# Allegro board Learn.brd (continued)
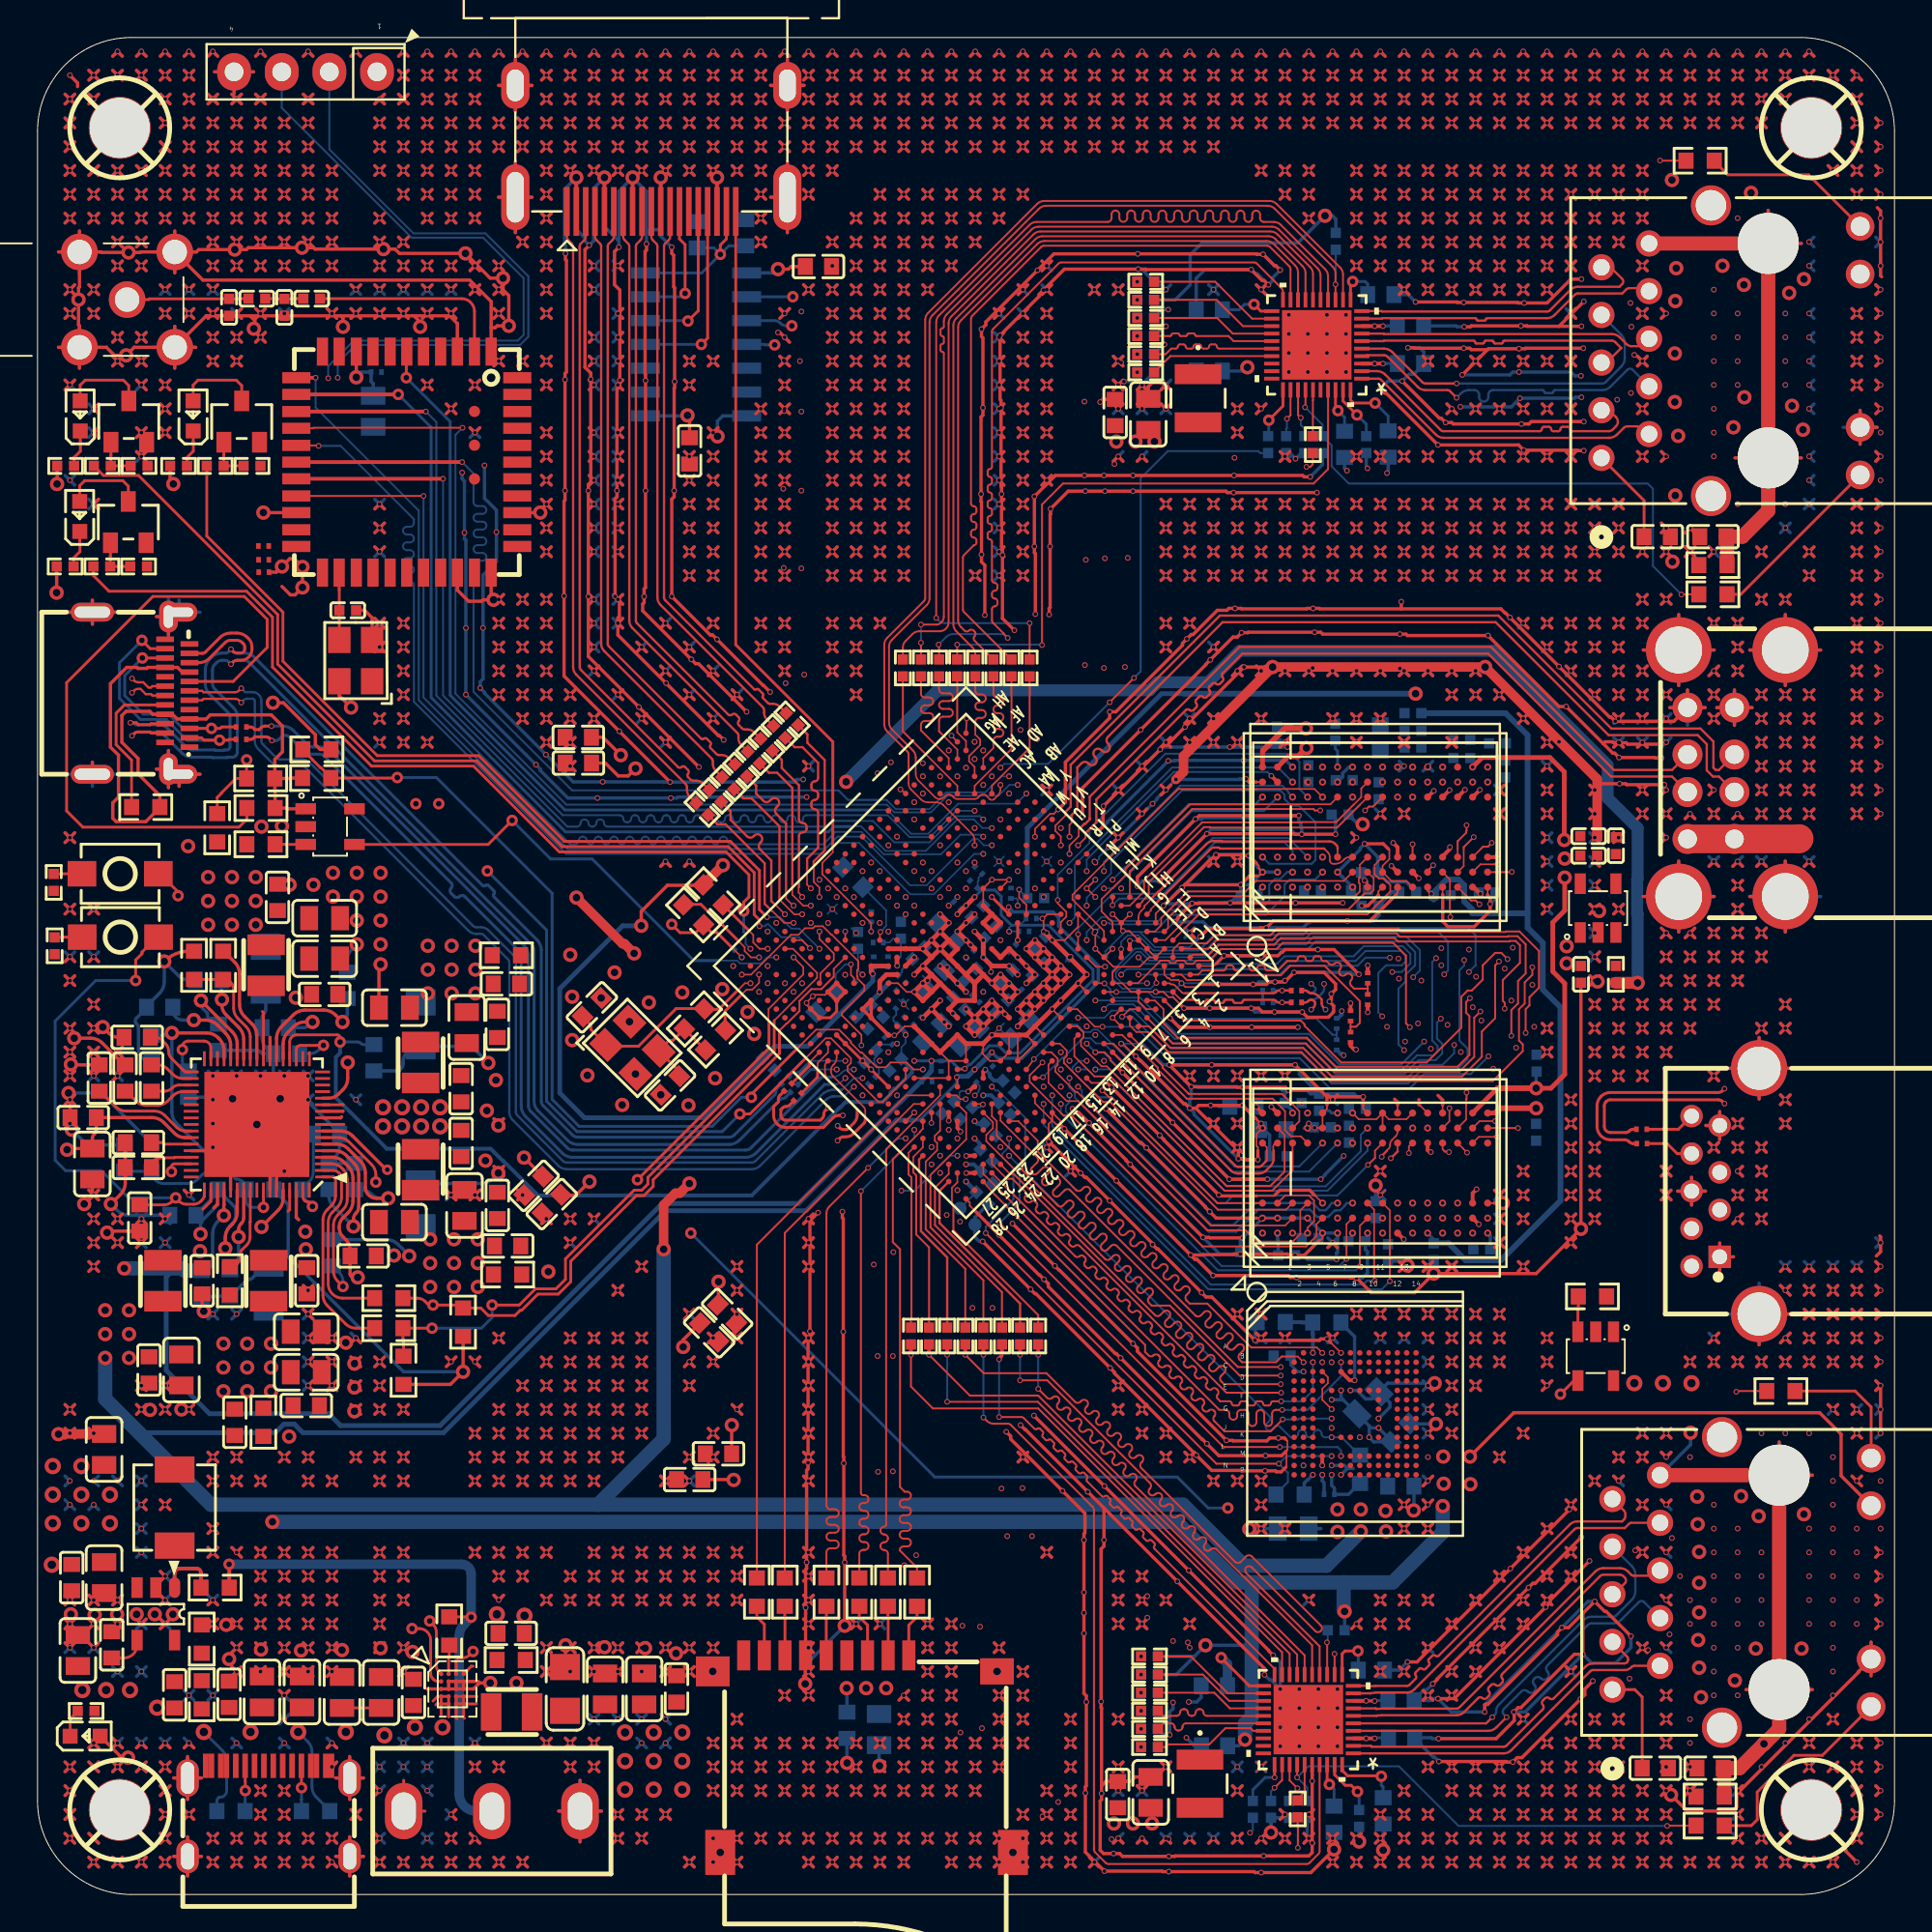
[diagram p0: board, top side]
## Routing (per net, layer and track width the routed paths; a pad name or vN(x,y) marks a point on that pad's centre or on a via; arc(x,y) is an arc through that point) (continued)
63.7,61.16 ; v1(63.95,61.41) 64.21,61.16 ; v1(63.95,61.41) 64.21,61.67 ; v1(75.38,10.61) 75.64,10.87 ; v1(75.38,10.61) 75.64,10.36 ; v1(75.38,10.61) 75.13,10.36 ; v1(75.38,10.61) 75.13,10.87 ; 11.63,15.95 v1(11.88,15.69) ; v1(11.88,15.69) 12.14,15.95 ; v1(11.88,15.69) 11.63,15.44 ; v1(11.88,15.69) 12.14,15.44 ; 64.97,97.99 v1(65.22,98.24) 65.48,97.99 ; v1(69.03,2.99) 69.29,3.25 ; v1(69.03,2.99) 68.78,2.74 ; v1(69.03,2.99) 68.78,3.25 ; v1(69.03,2.99) 69.29,2.74 ; v1(62.68,55.06) 62.94,55.32 ; v1(62.68,55.06) 62.43,54.81 ; v1(62.68,55.06) 62.94,54.81 ; 1.12,82.47 U22.1 ; U22.1 2.24,83.63 2.18,83.68 v3(2.18,85.01) 2.18,85.64 2.24,85.69 U22.4 ; U22.1 2.24,81.36 ; U22.1 3.67,82.47 4.1,82.04 v3(4.72,82.04) 5.16,82.47 U22.2 ; v1(71.57,30.93) 71.83,31.19 ; v1(71.57,30.93) 71.32,30.68 ; v1(71.57,30.93) 71.32,31.19 ; v1(71.57,30.93) 71.83,30.68 ; 84.02,65.48 v1(84.27,65.22) ; v1(84.27,65.22) 84.53,64.97 ; v1(84.27,65.22) 84.02,64.97 ; v1(84.27,65.22) 84.53,65.48 ; v1(27.12,8.07) 27.38,7.82 ; v1(27.12,8.07) 26.87,7.82 ; v1(27.12,8.07) 26.87,8.33 ; v1(27.12,8.07) 27.38,8.33 ; v1(48.71,8.07) 48.97,7.82 ; v1(48.71,8.07) 48.46,8.33 ; v1(48.71,8.07) 48.46,7.82 ; v1(48.71,8.07) 48.97,8.33 ; 96.72,26.11 v1(96.97,25.85) ; v1(96.97,25.85) 97.23,25.6 ; v1(96.97,25.85) 96.72,25.6 ; 19.25,61.67 v1(19.5,61.41) ; v1(19.5,61.41) 19.25,61.16 ; v1(19.5,61.41) 19.76,61.67 ; v1(19.5,61.41) 19.76,61.16 ; 91.64,1.47 v1(91.89,1.72) ; v1(91.89,1.72) 92.15,1.98 ; v1(91.89,1.72) 92.15,1.47 ; v1(91.89,1.72) 91.64,1.98 ; 44.65,3.25 v1(44.9,2.99) ; v1(44.9,2.99) 44.65,2.74 ; v1(44.9,2.99) 45.16,2.74 ; v1(44.9,2.99) 45.16,3.25 ; U5.V22 U5.U23 U5.V23 ; v1(1.72,80.46) 1.98,80.72 ; v1(1.72,80.46) 1.47,80.21 ; v1(1.72,80.46) 1.47,80.72 ; v1(83,74.11) 83.26,74.37 ; v1(83,74.11) 82.75,73.86 ; v1(83,74.11) 82.75,74.37 ; v1(83,74.11) 83.26,73.86 ; 6.55,89.1 v1(6.8,89.35) ; v1(6.8,89.35) 7.06,89.1 ; v1(6.8,89.35) 6.55,89.61 ; v1(6.8,89.35) 7.06,89.61 ; v1(59.97,80.59) 59.43,80.59 59.21,80.38 C195.2 ; v1(90.62,52.52) 90.88,52.78 ; v1(90.62,52.52) 90.88,52.27 ; v1(90.62,52.52) 90.37,52.27 ; v1(90.62,52.52) 90.37,52.78 ; 35.76,81.48 v1(36.01,81.73) ; v1(36.01,81.73) 36.27,81.99 ; v1(36.01,81.73) 36.27,81.48 ; v1(36.01,81.73) 35.76,81.99 ; 80.21,29.92 v1(80.46,29.66) ; v1(80.46,29.66) 80.72,29.92 ; v1(80.46,29.66) 80.72,29.41 ; v1(80.46,29.66) 80.21,29.41 ; v1(96.97,91.89) 97.23,92.15 ; v1(96.97,91.89) 96.72,92.15 ; v1(96.97,91.89) 96.72,91.64 ; v1(96.97,91.89) 97.23,91.64 ; v1(36.01,74.11) 36.27,73.86 ; v1(36.01,74.11) 35.76,74.37 ; v1(36.01,74.11) 35.76,73.86 ; v1(36.01,74.11) 36.27,74.37 ; 81.48,81.99 v1(81.73,81.73) ; v1(81.73,81.73) 81.48,81.48 ; v1(81.73,81.73) 81.99,81.99 ; v1(81.73,81.73) 81.99,81.48 ; 97.99,33.73 v1(98.24,33.47) 97.99,33.22 ; 19.25,18.49 v1(19.5,18.23) ; v1(19.5,18.23) 19.76,18.49 ; v1(19.5,18.23) 19.25,17.98 ; v1(19.5,18.23) 19.76,17.98 ; v3(1.65,42.72) 1.74,42.64 C61.1 ; 37.03,91.64 v1(37.28,91.89) ; v1(37.28,91.89) 37.54,92.15 ; v1(37.28,91.89) 37.03,92.15 ; v1(37.28,91.89) 37.54,91.64 ; 45.92,84.53 v1(46.17,84.27) ; v1(46.17,84.27) 46.43,84.02 ; v1(46.17,84.27) 46.43,84.53 ; v1(46.17,84.27) 45.92,84.02 ; 26.87,86.56 v1(27.12,86.81) ; v1(27.12,86.81) 27.38,87.07 ; v1(27.12,86.81) 27.38,86.56 ; v1(27.12,86.81) 26.87,87.07 ; v1(8.07,4.26) 8.33,4.52 ; v1(8.07,4.26) 7.82,4.52 ; v1(8.07,4.26) 7.82,4.01 ; v1(8.07,4.26) 8.33,4.01 ; v1(88.08,48.71) 88.34,48.46 ; v1(88.08,48.71) 87.83,48.46 ; v1(88.08,48.71) 87.83,48.97 ; v1(88.08,48.71) 88.34,48.97 ; 20.52,93.42 v1(20.77,93.16) ; v1(20.77,93.16) 21.03,93.42 ; v1(20.77,93.16) 21.03,92.91 ; v1(20.77,93.16) 20.52,92.91 ; 33.73,97.99 v1(33.47,98.24) 33.22,97.99 ; 64.97,37.24 63.02,37.24 v1(62.97,37.29) 60.05,40.2 60.05,40.23 v1(59.82,40.46) v1(57.25,43.03) 57.02,43.26 56.73,43.26 ; v1(93.16,1.72) 93.42,1.98 ; v1(93.16,1.72) 92.91,1.47 ; v1(93.16,1.72) 92.91,1.98 ; v1(93.16,1.72) 93.42,1.47 ; 2.74,91.64 v1(2.99,91.89) ; v1(2.99,91.89) 3.25,92.15 ; v1(2.99,91.89) 2.74,92.15 ; v1(2.99,91.89) 3.25,91.64 ; v1(27.12,94.43) 27.38,94.69 ; v1(27.12,94.43) 26.87,94.69 ; v1(27.12,94.43) 26.87,94.18 ; v1(27.12,94.43) 27.38,94.18 ; v1(60.14,94.43) 60.4,94.69 ; v1(60.14,94.43) 59.89,94.18 ; v1(60.14,94.43) 60.4,94.18 ; v1(60.14,94.43) 59.89,94.69 ; v1(32.2,62.68) 32.46,62.43 ; v1(32.2,62.68) 32.46,62.94 ; v1(32.2,62.68) 31.95,62.94 ; 28.14,63.7 v1(28.39,63.95) ; v1(28.39,63.95) 28.65,63.7 ; v1(28.39,63.95) 28.65,64.21 ; v1(28.39,63.95) 28.14,64.21 ; 97.99,63.7 v1(98.24,63.95) 97.99,64.21 ; 87.83,51 v1(88.08,51.25) ; v1(88.08,51.25) 88.34,51.51 ; v1(88.08,51.25) 88.34,51 ; v1(29.66,6.8) 29.92,7.06 ; v1(29.66,6.8) 29.41,7.06 ; v1(29.66,6.8) 29.92,6.55 ; v1(29.66,6.8) 29.41,6.55 ; 29.41,85.8 v1(29.66,85.54) 29.41,85.29 ; 90.37,67.51 v1(90.62,67.76) ; v1(90.62,67.76) 90.37,68.02 ; v1(90.62,67.76) 90.88,67.51 ; v1(90.62,67.76) 90.88,68.02 ; 39.57,66.75 v1(39.82,66.49) ; v1(39.82,66.49) 40.08,66.75 ; v1(39.82,66.49) 40.08,66.24 ; v1(39.82,66.49) 39.57,66.24 ; 26.87,80.72 v1(27.12,80.46) ; v1(27.12,80.46) 26.87,80.21 ; v1(27.12,80.46) 27.38,80.72 ; v1(27.12,80.46) 27.38,80.21 ; v1(38.55,6.8) 38.81,6.55 ; v1(38.55,6.8) 38.81,7.06 ; v1(38.55,6.8) 38.3,6.55 ; v1(38.55,6.8) 38.3,7.06 ; 24.33,92.91 v1(24.58,93.16) ; v1(24.58,93.16) 24.84,92.91 ; v1(24.58,93.16) 24.33,93.42 ; v1(24.58,93.16) 24.84,93.42 ; 1.47,90.37 v1(1.72,90.62) ; v1(1.72,90.62) 1.98,90.37 ; v1(1.72,90.62) 1.98,90.88 ; v1(1.72,90.62) 1.47,90.88 ; v1(5.53,1.72) 5.79,1.47 ; v1(5.53,1.72) 5.28,1.98 ; v1(5.53,1.72) 5.79,1.98 ; v1(5.53,1.72) 5.28,1.47 ; v1(27.12,77.92) 27.38,78.18 ; v1(27.12,77.92) 26.87,77.67 ; v1(27.12,77.92) 26.87,78.18 ; v1(27.12,77.92) 27.38,77.67 ; v1(46.17,89.35) 46.43,89.1 ; v1(46.17,89.35) 46.43,89.61 ; v1(46.17,89.35) 45.92,89.61 ; v1(46.17,89.35) 45.92,89.1 ; v1(46.17,93.16) 46.43,93.42 ; v1(46.17,93.16) 46.43,92.91 ; v1(46.17,93.16) 45.92,93.42 ; v1(46.17,93.16) 45.92,92.91 ; 45.92,80.72 v1(46.17,80.46) ; v1(46.17,80.46) 46.43,80.72 ; v1(46.17,80.46) 45.92,80.21 ; v1(46.17,80.46) 46.43,80.21 ; 26.87,73.86 v1(27.12,74.11) ; v1(27.12,74.11) 27.38,73.86 ; v1(27.12,74.11) 26.87,74.37 ; v1(27.12,74.11) 27.38,74.37 ; 82.75,52.27 v1(83,52.52) ; v1(83,52.52) 83.26,52.78 ; v1(83,52.52) 83.26,52.27 ; v1(83,52.52) 82.75,52.78 ; 45.92,74.37 v1(46.17,74.11) ; v1(46.17,74.11) 46.43,73.86 ; v1(46.17,74.11) 46.43,74.37 ; v1(46.17,74.11) 45.92,73.86 ; 75.13,33.22 v1(75.38,33.47) ; v1(75.38,33.47) 75.13,33.73 ; v1(75.38,33.47) 75.64,33.22 ; v1(75.38,33.47) 75.64,33.73 ; v1(93.16,62.68) 93.42,62.43 ; v1(93.16,62.68) 93.42,62.94 ; v1(93.16,62.68) 92.91,62.94 ; v1(93.16,62.68) 92.91,62.43 ; 61.16,53.82 v1(64.14,53.82) 64.61,54.3 64.97,54.3 ; 61.16,53.82 v1(61.01,53.67) 60.28,52.94 60.25,52.94 v1(60.02,52.7) 59.88,52.57 ; 61.16,53.82 62.53,55.19 62.58,55.19 v1(62.81,55.42) 64.19,55.42 64.24,55.37 v1(64.57,55.37) 64.97,54.97 ; 76.4,87.83 v1(76.65,88.08) ; v1(76.65,88.08) 76.4,88.34 ; v1(76.65,88.08) 76.91,88.34 ; v1(76.65,88.08) 76.91,87.83 ; v1(61.41,43.63) 61.67,43.89 ; v1(61.41,43.63) 61.16,43.89 ; v1(61.41,43.63) 61.16,43.38 ; v1(61.41,43.63) 61.67,43.38 ; 44.65,78.94 v1(44.9,79.19) ; v1(44.9,79.19) 45.16,79.45 ; v1(44.9,79.19) 44.65,79.45 ; v1(44.9,79.19) 45.16,78.94 ; v1(91.89,60.14) 92.15,60.4 ; v1(91.89,60.14) 91.64,59.89 ; v1(91.89,60.14) 92.15,59.89 ; v1(91.89,60.14) 91.64,60.4 ; 15.44,7.82 v1(15.69,8.07) 15.95,7.82 ; 14.17,95.96 v1(14.42,95.7) ; v1(14.42,95.7) 14.17,95.45 ; v1(14.42,95.7) 14.68,95.45 ; v1(14.42,95.7) 14.68,95.96 ; v1(77.92,81.73) 78.18,81.48 ; v1(77.92,81.73) 78.18,81.99 ; v1(77.92,81.73) 77.67,81.99 ; v1(77.92,81.73) 77.67,81.48 ; 86.56,10.87 v1(86.81,10.61) ; v1(86.81,10.61) 87.07,10.36 ; v1(86.81,10.61) 87.07,10.87 ; v1(86.81,10.61) 86.56,10.36 ; 57.35,95.96 v1(57.6,95.7) ; v1(57.6,95.7) 57.35,95.45 ; v1(57.6,95.7) 57.86,95.45 ; v1(57.6,95.7) 57.86,95.96 ; v1(19.5,11.88) 19.76,11.63 ; v1(19.5,11.88) 19.25,11.63 ; v1(19.5,11.88) 19.76,12.14 ; v1(19.5,11.88) 19.25,12.14 ; 31.19,77.67 v1(30.93,77.92) 31.19,78.18 ; 66.24,2.74 v1(66.49,2.99) ; v1(66.49,2.99) 66.75,2.74 ; v1(66.49,2.99) 66.75,3.25 ; v1(66.49,2.99) 66.24,3.25 ; 77.67,79.45 v1(77.92,79.19) ; v1(77.92,79.19) 78.18,79.45 ; v1(77.92,79.19) 77.67,78.94 ; v1(77.92,79.19) 78.18,78.94 ; 24.33,18.49 v1(24.58,18.23) ; v1(24.58,18.23) 24.84,17.98 ; v1(24.58,18.23) 24.33,17.98 ; v1(24.58,18.23) 24.84,18.49 ; 57.35,94.69 v1(57.6,94.43) ; v1(57.6,94.43) 57.86,94.69 ; v1(57.6,94.43) 57.35,94.18 ; v1(57.6,94.43) 57.86,94.18 ; v1(48.71,94.43) 48.97,94.18 ; v1(48.71,94.43) 48.46,94.18 ; v1(48.71,94.43) 48.97,94.69 ; v1(48.71,94.43) 48.46,94.69 ; 45.92,95.96 v1(46.17,95.7) ; v1(46.17,95.7) 45.92,95.45 ; v1(46.17,95.7) 46.43,95.45 ; v1(46.17,95.7) 46.43,95.96 ; v1(25.85,16.96) 26.11,16.71 ; v1(25.85,16.96) 25.6,16.71 ; v1(25.85,16.96) 25.6,17.22 ; v1(25.85,16.96) 26.11,17.22 ; 17.98,88.34 v1(18.23,88.08) ; v1(18.23,88.08) 17.98,87.83 ; v1(18.23,88.08) 18.49,88.34 ; v1(18.23,88.08) 18.49,87.83 ; v1(76.65,4.26) 76.91,4.01 ; v1(76.65,4.26) 76.4,4.01 ; v1(76.65,4.26) 76.91,4.52 ; v1(76.65,4.26) 76.4,4.52 ; 88.34,97.99 v1(88.08,98.24) 87.83,97.99 ; v1(58.87,24.58) 59.13,24.33 ; v1(58.87,24.58) 59.13,24.84 ; v1(58.87,24.58) 58.62,24.33 ; v1(58.87,24.58) 58.62,24.84 ; v1(84.27,96.97) 84.53,96.72 ; v1(84.27,96.97) 84.02,96.72 ; v1(84.27,96.97) 84.02,97.23 ; v1(84.27,96.97) 84.53,97.23 ; v1(94.43,63.95) 94.69,64.21 ; v1(94.43,63.95) 94.18,63.7 ; v1(94.43,63.95) 94.69,63.7 ; v1(94.43,63.95) 94.18,64.21 ; 6.55,92.15 v1(6.8,91.89) ; v1(6.8,91.89) 7.06,91.64 ; v1(6.8,91.89) 6.55,91.64 ; v1(6.8,91.89) 7.06,92.15 ; v1(9.34,81.73) 9.6,81.48 ; v1(9.34,81.73) 9.09,81.99 ; v1(9.34,81.73) 9.6,81.99 ; v1(9.34,81.73) 9.09,81.48 ; v1(81.73,20.77) 81.99,21.03 ; v1(81.73,20.77) 81.48,21.03 ; v1(81.73,20.77) 81.99,20.52 ; v1(81.73,20.77) 81.48,20.52 ; v1(32.2,95.7) 32.46,95.45 ; v1(32.2,95.7) 31.95,95.45 ; v1(32.2,95.7) 32.46,95.96 ; v1(32.2,95.7) 31.95,95.96 ; v1(5.53,27.12) 5.79,27.38 ; v1(5.53,27.12) 5.79,26.87 ; v1(5.53,27.12) 5.28,27.38 ; v1(5.53,27.12) 5.28,26.87 ; v1(58.87,14.42) 59.13,14.17 ; v1(58.87,14.42) 58.62,14.17 ; v1(58.87,14.42) 59.13,14.68 ; v1(58.87,14.42) 58.62,14.68 ; v1(10.61,81.73) 10.87,81.48 ; v1(10.61,81.73) 10.36,81.99 ; v1(10.61,81.73) 10.36,81.48 ; v1(10.61,81.73) 10.87,81.99 ; v1(86.81,6.8) 87.07,6.55 ; v1(86.81,6.8) 86.56,7.06 ; v1(86.81,6.8) 86.56,6.55 ; v1(86.81,6.8) 87.07,7.06 ; 29.41,11.63 v1(29.66,11.88) ; v1(29.66,11.88) 29.92,12.14 ; v1(29.66,11.88) 29.92,11.63 ; v1(29.66,11.88) 29.41,12.14 ; 34.49,96.72 v1(34.74,96.97) ; v1(34.74,96.97) 35,97.23 ; v1(34.74,96.97) 35,96.72 ; v1(34.74,96.97) 34.49,97.23 ; 73.86,92.15 v1(74.11,91.89) ; v1(74.11,91.89) 73.86,91.64 ; v1(74.11,91.89) 74.37,91.64 ; v1(74.11,91.89) 74.37,92.15 ; 63.7,96.72 v1(63.95,96.97) ; v1(63.95,96.97) 64.21,97.23 ; v1(63.95,96.97) 63.7,97.23 ; v1(63.95,96.97) 64.21,96.72 ; 63.7,40.08 v1(63.95,39.82) ; v1(63.95,39.82) 63.7,39.57 ; v1(63.95,39.82) 64.21,39.57 ; v1(63.95,39.82) 64.21,40.08 ; 40.84,10.36 v1(41.09,10.61) ; v1(41.09,10.61) 41.35,10.87 ; v1(41.09,10.61) 41.35,10.36 ; v1(41.09,10.61) 40.84,10.87 ; v1(57.6,96.97) 57.86,96.72 ; v1(57.6,96.97) 57.35,96.72 ; v1(57.6,96.97) 57.35,97.23 ; v1(57.6,96.97) 57.86,97.23 ; 16.71,28.65 v1(16.96,28.39) ; v1(16.96,28.39) 17.22,28.65 ; v1(16.96,28.39) 16.71,28.14 ; v1(16.96,28.39) 17.22,28.14 ; v1(13.15,94.43) 13.41,94.18 ; v1(13.15,94.43) 12.9,94.18 ; v1(13.15,94.43) 12.9,94.69 ; v1(13.15,94.43) 13.41,94.69 ; 77.67,71.32 v1(77.92,71.57) ; v1(77.92,71.57) 77.67,71.83 ; v1(77.92,71.57) 78.18,71.32 ; v1(77.92,71.57) 78.18,71.83 ; v1(5.53,77.92) 5.79,78.18 ; v1(5.53,77.92) 5.79,77.67 ; v1(5.53,77.92) 5.28,77.67 ; v1(5.53,77.92) 5.28,78.18 ; v1(89.35,67.76) 89.61,68.02 ; v1(89.35,67.76) 89.1,67.51 ; v1(89.35,67.76) 89.1,68.02 ; v1(89.35,67.76) 89.61,67.51 ; v3(78.11,36.86) 78.1,36.85 77.65,36.85 ; 1.12,87.55 U22.4 ; U22.4 2.24,88.67 ; U22.4 3.39,87.55 3.41,87.53 v3(4.85,87.53) 5.47,87.53 5.5,87.55 U22.3 ; 11.63,3.25 v1(11.88,2.99) ; v1(11.88,2.99) 12.14,3.25 ; v1(11.88,2.99) 11.63,2.74 ; v1(11.88,2.99) 12.14,2.74 ; v1(94.43,71.57) 94.69,71.32 ; v1(94.43,71.57) 94.69,71.83 ; v1(94.43,71.57) 94.18,71.83 ; v1(94.43,71.57) 94.18,71.32 ; 68.02,4.01 v1(67.76,4.26) 68.02,4.52 ; v1(43.63,71.57) 43.89,71.83 ; v1(43.63,71.57) 43.38,71.83 ; v1(43.63,71.57) 43.38,71.32 ; v1(43.63,71.57) 43.89,71.32 ; 34.49,80.21 v1(34.74,80.46) ; v1(34.74,80.46) 35,80.21 ; v1(34.74,80.46) 35,80.72 ; v1(34.74,80.46) 34.49,80.72 ; v1(36.01,77.92) 36.27,78.18 ; v1(36.01,77.92) 36.27,77.67 ; v1(36.01,77.92) 35.76,78.18 ; v1(36.01,77.92) 35.76,77.67 ; v1(4.26,36.01) 4.52,36.27 ; v1(4.26,36.01) 4.52,35.76 ; v1(4.26,36.01) 4.01,35.76 ; v1(4.26,36.01) 4.01,36.27 ; v1(41.09,95.7) 41.35,95.45 ; v1(41.09,95.7) 40.84,95.96 ; v1(41.09,95.7) 40.84,95.45 ; v1(41.09,95.7) 41.35,95.96 ; 17.98,14.68 v1(18.23,14.42) ; v1(18.23,14.42) 18.49,14.17 ; v1(18.23,14.42) 18.49,14.68 ; v1(18.23,14.42) 17.98,14.17 ; v1(30.93,15.69) 31.19,15.95 ; v1(30.93,15.69) 30.68,15.44 ; v1(30.93,15.69) 31.19,15.44 ; v1(30.93,15.69) 30.68,15.95 ; 81.48,71.83 v1(81.73,71.57) ; v1(81.73,71.57) 81.99,71.83 ; v1(81.73,71.57) 81.99,71.32 ; v1(81.73,71.57) 81.48,71.32 ; v1(48.71,5.53) 48.97,5.79 ; v1(48.71,5.53) 48.46,5.28 ; v1(48.71,5.53) 48.46,5.79 ; v1(48.71,5.53) 48.97,5.28 ; 51,94.69 v1(51.25,94.43) ; v1(51.25,94.43) 51,94.18 ; v1(51.25,94.43) 51.51,94.18 ; v1(51.25,94.43) 51.51,94.69 ; 56.72,5.79 v1(56.72,5.38) 56.72,5.06 56.64,4.98 56.64,2.36 56.82,2.18 v1(57.35,2.18) 57.68,2.18 57.83,2.03 v1(60.3,2.03) 60.63,2.03 60.65,2.06 v1(65.35,2.06) 67.77,2.06 67.94,2.24 v1(67.94,2.74) v1(67.94,6.05) 67.94,6.38 67.94,6.38 67.94,6.69 ; 56.72,5.79 56.95,6.03 C183.2 58.27,6.03 58.51,6.27 C182.2 ; v1(75.38,96.97) 75.64,96.72 ; v1(75.38,96.97) 75.13,97.23 ; v1(75.38,96.97) 75.13,96.72 ; v1(75.38,96.97) 75.64,97.23 ; 72.59,97.23 v1(72.84,96.97) ; v1(72.84,96.97) 73.1,96.72 ; v1(72.84,96.97) 73.1,97.23 ; v1(72.84,96.97) 72.59,96.72 ; v1(2.99,34.74) 3.25,35 ; v1(2.99,34.74) 2.74,35 ; v1(2.99,34.74) 3.25,34.49 ; v1(2.99,34.74) 2.74,34.49 ; 91.64,36.27 v1(91.89,36.01) ; v1(91.89,36.01) 92.15,36.27 ; v1(91.89,36.01) 92.15,35.76 ; v1(91.89,36.01) 91.64,35.76 ; v1(10.61,86.81) 10.87,86.56 ; v1(10.61,86.81) 10.36,87.07 ; v1(10.61,86.81) 10.36,86.56 ; v1(10.61,86.81) 10.87,87.07 ; 95.45,1.98 v1(95.7,1.72) ; v1(95.7,1.72) 95.45,1.47 ; v1(95.7,1.72) 95.96,1.98 ; v1(95.7,1.72) 95.96,1.47 ; 10.36,21.79 v1(10.61,22.04) ; v1(10.61,22.04) 10.87,21.79 ; v1(10.61,22.04) 10.87,22.3 ; v1(10.61,22.04) 10.36,22.3 ; 21.79,92.91 v1(22.04,93.16) ; v1(22.04,93.16) 21.79,93.42 ; v1(22.04,93.16) 22.3,93.42 ; v1(22.04,93.16) 22.3,92.91 ; 96.72,73.1 v1(96.97,72.84) ; v1(96.97,72.84) 97.23,72.59 ; v1(96.97,72.84) 96.72,72.59 ; v1(96.97,72.84) 97.23,73.1 ; 1.47,3.25 v1(1.72,2.99) ; v1(1.72,2.99) 1.47,2.74 ; v1(1.72,2.99) 1.98,2.74 ; v1(1.72,2.99) 1.98,3.25 ; 33.22,15.44 v1(33.47,15.69) ; v1(33.47,15.69) 33.73,15.95 ; v1(33.47,15.69) 33.73,15.44 ; v1(33.47,15.69) 33.22,15.95 ; 38.3,7.82 v1(38.55,8.07) ; v1(38.55,8.07) 38.81,7.82 ; v1(38.55,8.07) 38.3,8.33 ; v1(38.55,8.07) 38.81,8.33 ; v1(39.82,74.11) 40.08,73.86 ; v1(39.82,74.11) 39.57,73.86 ; v1(39.82,74.11) 40.08,74.37 ; v1(39.82,74.11) 39.57,74.37 ; 75.13,85.8 v1(75.38,85.54) ; v1(75.38,85.54) 75.64,85.8 ; v1(75.38,85.54) 75.64,85.29 ; v1(75.38,85.54) 75.13,85.29 ; 77.67,97.99 v1(77.92,98.24) 78.18,97.99 ; v1(19.5,86.81) 19.76,87.07 ; v1(19.5,86.81) 19.76,86.56 ; v1(19.5,86.81) 19.25,86.56 ; v1(19.5,86.81) 19.25,87.07 ; v1(60.14,66.49) 60.4,66.75 ; v1(60.14,66.49) 59.89,66.24 ; v1(60.14,66.49) 59.89,66.75 ; v1(60.14,66.49) 60.4,66.24 ; 31.19,68.02 v1(30.93,67.76) 31.19,67.51 ; 56.08,97.99 v1(56.33,98.24) 56.59,97.99 ; 89.1,54.81 v1(89.35,55.06) 89.61,54.81 ; 51.51,74.37 v1(51.25,74.11) 51.51,73.86 ; 26.87,18.49 v1(27.12,18.23) ; v1(27.12,18.23) 27.38,18.49 ; v1(27.12,18.23) 27.38,17.98 ; v1(27.12,18.23) 26.87,17.98 ; v1(88.08,28.39) 88.34,28.14 ; v1(88.08,28.39) 88.34,28.65 ; v1(88.08,28.39) 87.83,28.14 ; v1(88.08,28.39) 87.83,28.65 ; 78.94,15.95 v1(79.19,15.69) ; v1(79.19,15.69) 78.94,15.44 ; v1(79.19,15.69) 79.45,15.44 ; v1(79.19,15.69) 79.45,15.95 ; v3(16.28,83.57) 16.28,84.02 16.15,84.15 ; 83.26,97.99 v1(83,98.24) 82.75,97.99 ; 12.9,89.1 v1(13.15,89.35) ; v1(13.15,89.35) 12.9,89.61 ; v1(13.15,89.35) 13.41,89.1 ; v1(13.15,89.35) 13.41,89.61 ; 26.87,11.63 v1(27.12,11.88) ; v1(27.12,11.88) 27.38,11.63 ; v1(27.12,11.88) 26.87,12.14 ; v1(27.12,11.88) 27.38,12.14 ; 84.02,44.65 v1(84.27,44.9) ; v1(84.27,44.9) 84.53,44.65 ; v1(84.27,44.9) 84.02,45.16 ; v1(84.27,44.9) 84.53,45.16 ; 97.99,80.72 v1(98.24,80.46) 97.99,80.21 ; 31.95,33.22 v1(32.2,33.47) ; v1(32.2,33.47) 32.46,33.73 ; v1(32.2,33.47) 31.95,33.73 ; v1(32.2,33.47) 32.46,33.22 ; v1(14.42,18.23) 14.68,18.49 ; v1(14.42,18.23) 14.17,18.49 ; v1(14.42,18.23) 14.17,17.98 ; v1(14.42,18.23) 14.68,17.98 ; 31.95,4.52 v1(32.2,4.26) ; v1(32.2,4.26) 32.46,4.52 ; v1(32.2,4.26) 32.46,4.01 ; v1(32.2,4.26) 31.95,4.01 ; 75.13,12.14 v1(75.38,11.88) ; v1(75.38,11.88) 75.64,12.14 ; v1(75.38,11.88) 75.13,11.63 ; v1(75.38,11.88) 75.64,11.63 ; 23.06,78.18 v1(23.31,77.92) 23.57,78.18 ; 64.97,71.32 v1(65.22,71.57) ; v1(65.22,71.57) 64.97,71.83 ; v1(65.22,71.57) 65.48,71.83 ; v1(65.22,71.57) 65.48,71.32 ; v1(71.57,57.6) 71.83,57.86 ; v1(71.57,57.6) 71.83,57.35 ; v1(71.57,57.6) 71.32,57.35 ; v1(91.89,61.41) 92.15,61.67 ; v1(91.89,61.41) 91.64,61.16 ; v1(91.89,61.41) 91.64,61.67 ; v1(91.89,61.41) 92.15,61.16 ; 75.13,29.41 v1(75.38,29.66) ; v1(75.38,29.66) 75.13,29.92 ; v1(75.38,29.66) 75.64,29.41 ; v1(75.38,29.66) 75.64,29.92 ; v1(6.8,5.53) 7.06,5.28 ; v1(6.8,5.53) 7.06,5.79 ; v1(6.8,5.53) 6.55,5.28 ; v1(6.8,5.53) 6.55,5.79 ; v1(46.17,88.08) 46.43,88.34 ; v1(46.17,88.08) 45.92,87.83 ; v1(46.17,88.08) 45.92,88.34 ; v1(46.17,88.08) 46.43,87.83 ; 14.17,32.46 v1(14.42,32.2) ; v1(14.42,32.2) 14.68,31.95 ; v1(14.42,32.2) 14.68,32.46 ; v1(14.42,32.2) 14.17,31.95 ; 61.16,70.56 v1(61.41,70.3) ; v1(61.41,70.3) 61.16,70.05 ; v1(61.41,70.3) 61.67,70.05 ; v1(61.41,70.3) 61.67,70.56 ; 96.72,69.29 v1(96.97,69.03) ; v1(96.97,69.03) 97.23,68.78 ; v1(96.97,69.03) 96.72,68.78 ; v1(96.97,69.03) 97.23,69.29 ; 97.99,14.68 v1(98.24,14.42) 97.99,14.17 ; v1(27.12,85.54) 27.38,85.8 ; v1(27.12,85.54) 26.87,85.29 ; v1(27.12,85.54) 27.38,85.29 ; v1(27.12,85.54) 26.87,85.8 ; 54.81,2.74 v1(55.06,2.99) ; v1(55.06,2.99) 55.32,3.25 ; v1(55.06,2.99) 55.32,2.74 ; v1(55.06,2.99) 54.81,3.25 ; v1(42.36,85.54) 42.62,85.29 ; v1(42.36,85.54) 42.11,85.29 ; v1(42.36,85.54) 42.11,85.8 ; v1(42.36,85.54) 42.62,85.8 ; v1(24.58,66.49) 24.84,66.24 ; v1(24.58,66.49) 24.33,66.24 ; v1(24.58,66.49) 24.84,66.75 ; v1(24.58,66.49) 24.33,66.75 ; v1(42.36,67.76) 42.62,67.51 ; v1(42.36,67.76) 42.62,68.02 ; v1(42.36,67.76) 42.11,67.51 ; v1(42.36,67.76) 42.11,68.02 ; v1(91.89,37.28) 92.15,37.54 ; v1(91.89,37.28) 91.64,37.54 ; v1(91.89,37.28) 92.15,37.03 ; v1(91.89,37.28) 91.64,37.03 ; 42.11,74.37 v1(42.36,74.11) ; v1(42.36,74.11) 42.62,74.37 ; v1(42.36,74.11) 42.62,73.86 ; v1(42.36,74.11) 42.11,73.86 ; v1(94.43,29.66) 94.69,29.92 ; v1(94.43,29.66) 94.18,29.92 ; v1(94.43,29.66) 94.69,29.41 ; v1(94.43,29.66) 94.18,29.41 ; v1(38.55,89.35) 38.81,89.61 ; v1(38.55,89.35) 38.3,89.1 ; v1(38.55,89.35) 38.3,89.61 ; v1(38.55,89.35) 38.81,89.1 ; 14.17,31.19 v1(14.42,30.93) ; v1(14.42,30.93) 14.68,31.19 ; v1(14.42,30.93) 14.68,30.68 ; v1(41.09,34.74) 41.35,34.49 ; v1(41.09,34.74) 41.35,35 ; v1(41.09,34.74) 40.84,34.49 ; v1(41.09,34.74) 40.84,35 ; 64.97,21.03 v1(65.22,20.77) ; v1(65.22,20.77) 65.48,21.03 ; v1(65.22,20.77) 64.97,20.52 ; v1(65.22,20.77) 65.48,20.52 ; v1(63.95,43.63) 64.21,43.89 ; v1(63.95,43.63) 64.21,43.38 ; v1(63.95,43.63) 63.7,43.89 ; v1(63.95,43.63) 63.7,43.38 ; v1(5.53,91.89) 5.79,91.64 ; v1(5.53,91.89) 5.79,92.15 ; v1(5.53,91.89) 5.28,92.15 ; v1(5.53,91.89) 5.28,91.64 ; 24.33,67.51 v1(24.58,67.76) ; v1(24.58,67.76) 24.84,68.02 ; v1(24.58,67.76) 24.84,67.51 ; v1(24.58,67.76) 24.33,68.02 ; 85.29,12.9 v1(85.54,13.15) ; v1(85.54,13.15) 85.8,13.41 ; v1(85.54,13.15) 85.29,13.41 ; v1(85.54,13.15) 85.8,12.9 ; U1.2 17.38,6.21 ; U1.2 16.64,5.07 ; U1.2 15.9,6.21 ; 